# Altium PCB HW_PROCESSOR_BOARD_R1.PcbDoc (part 1 of 2) (continued)
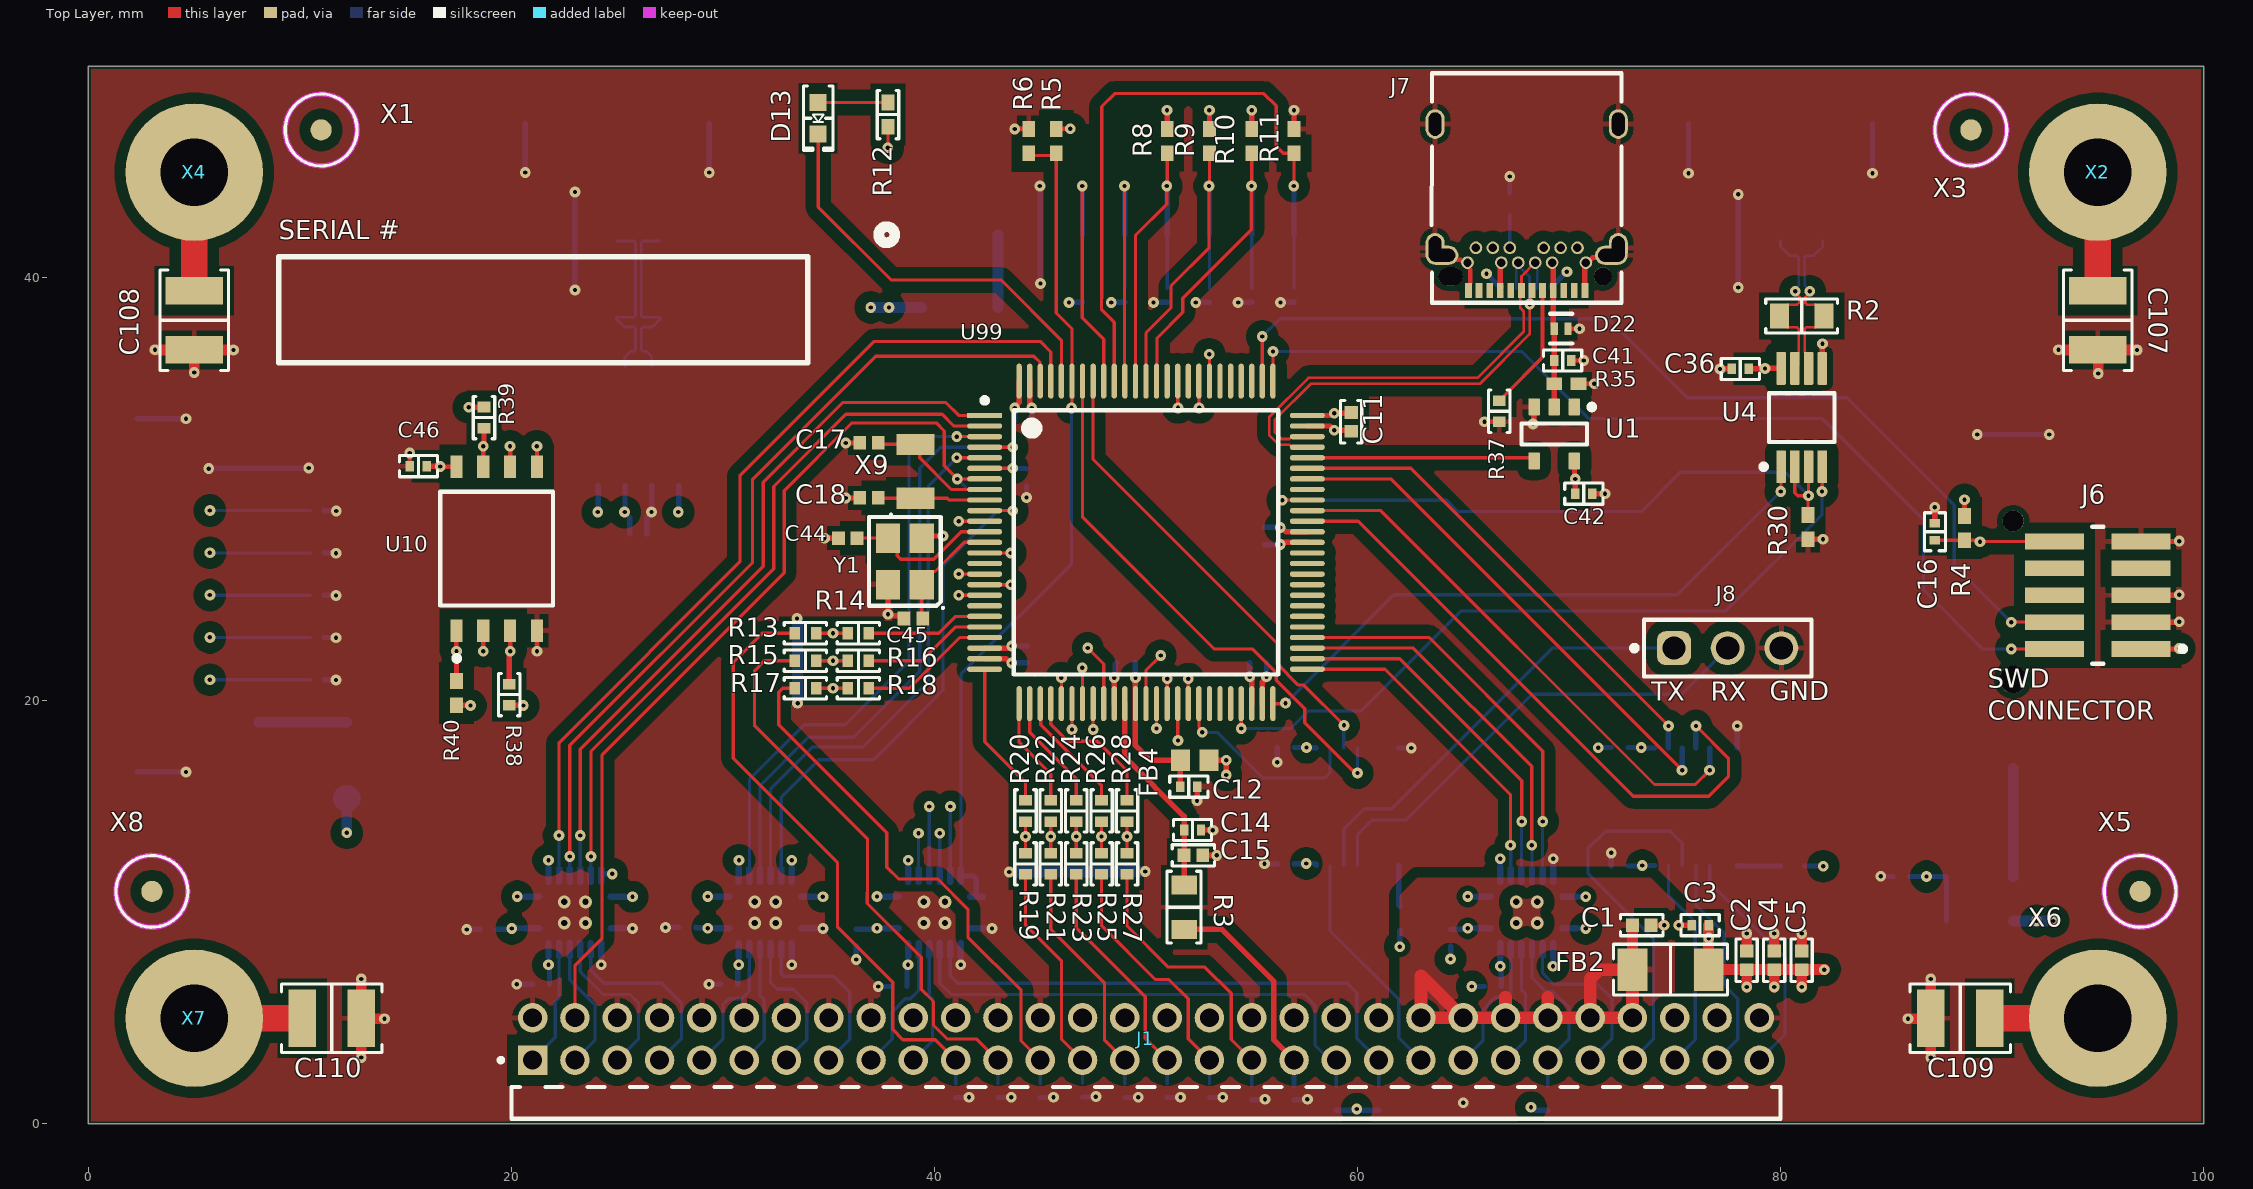
[diagram p0: Top Layer view]
## Part data (continued)
D13: library part TLMP1100-GS08, "LED GREEN 0603 SMD", Current - Test=20mA, Device Package="0603 (1608 Metric)", Lens Color=0.65mm, Manufacturer="Vishay Semiconductor Opto Division", Millicandela Rating=15mcd, Supplier Device Package=0603, Supplier Part Number 1=751-1176-1-ND, Voltage - Forward (Vf) (Typ)=2.1V, Color=Green, ComponentLink1Description=Datasheet, ComponentLink1URL=http://www.vishay.com/docs/83173/tlmb1100.pdf, ComponentLink2Description="DigiKey Link", ComponentLink2URL=https://www.digikey.com/en/products/detail/vishay-semiconductor-opto-division/TLMP1100-GS08/1681311, Configuration=Standard, Height (Max)=0.65mm, lastupdated="3/11/2024 7:51:09 AM", Lens Size="1.60mm x 0.80mm", Lens Style="Rectangle with Flat Top", Lifecycle Status=Active, Minimum Order=1, Mounting Type="Surface Mount", Package / Case="0603 (1608 Metric)", Packaging=TapeAndReel, Part Number=TLMP1100-GS08, Part Status=Active, partid=692, price=0.11, series="Automotive, AEC-Q101", Size / Dimension="1.60mm L x 0.80mm W", Supplier 1=DigiKey, Viewing Angle=160°, Wavelength - Dominant=561nm, Wavelength - Peak=562nm
D25 D26: "DIODE SCHOTTKY 20V 500MA SOD123", Current - Average Rectified (Io)=500mA, Current - Reverse Leakage @ Vr="250µA @ 20V", Manufacturer="ON Semiconductor", Operating Temperature - Junction="-65°C ~ 125°C", Package / Case=SOD-123, Supplier Part Number 1=MBR0520LT1GOSCT-ND, Voltage - DC Reverse (Vr) (Max)=20V, Voltage - Forward (Vf) (Max) @ If="385mV @ 500mA", ComponentLink1Description=Datasheet, ComponentLink1URL=http://www.onsemi.com/pub/Collateral/MBR0520LT1-D.PDF, ComponentLink2Description="DigiKey Link", ComponentLink2URL=http://digikey.com/product-detail/en/on-semiconductor/MBR0520LT1G/MBR0520LT1GOSCT-ND/917965, Diode Type=Schottky, lastupdated="6/3/2024 7:54:46 PM", Lifecycle Status=Active, Minimum Order=1, Mounting Type="Surface Mount", Packaging=TapeAndReel, Part Number=MBR0520LT1G, Part Status=Active, partid=2222, price=0.05, series=-, Speed="Fast Recovery =< 500ns, > 200mA (Io)", Supplier 1=DigiKey, Supplier Device Package=SOD-123
FB1 FB2 FB3: library part BLM31KN102SN1L, "FERRITE BEAD 1K OHM 1206 1LN", Current Rating (Max)=2A, DC Resistance (DCR) (Max)=75mOhm, Device Package="1206 (3216 Metric)", Manufacturer="Murata Electronics", Operating Temperature="-55°C ~ 125°C", Supplier Part Number 1=490-16521-1-ND, ComponentLink1Description=Datasheet, ComponentLink1URL=https://www.murata.com/en-global/products/productdata/8796739698718/ENFA0006.pdf, ComponentLink2Description="DigiKey Link", ComponentLink2URL=https://www.digikey.com/en/products/detail/murata-electronics/BLM31KN102SN1L/7564086, Filter Type="Power Line", Height (Max)="0.071\" (1.80mm)", Impedance @ Frequency="1 kOhms @ 100 MHz", lastupdated="6/3/2024 7:52:37 PM", Lifecycle Status=Active, Minimum Order=1, Mounting Type="Surface Mount", Number of Lines=1, Package / Case="1206 (3216 Metric)", Packaging=TapeAndReel, Part Number=BLM31KN102SN1L, Part Status=Active, partid=1659, price=0.10, series=BLM, Size / Dimension="0.126\" L x 0.063\" W (3.20mm x 1.60mm)", Supplier 1=DigiKey
FB4: library part MH1608-101Y, "FERRITE BEAD 100 OHM 0603 1LN", Current Rating (Max)=3A, DC Resistance (DCR) (Max)=40mOhm, Device Package="0603 (1608 Metric)", Manufacturer="Bourns Inc.", Operating Temperature="-55°C ~ 125°C", Supplier Part Number 1=MH1608-101YCT-ND, ComponentLink1Description=Datasheet, ComponentLink1URL=https://www.bourns.com/docs/Product-Datasheets/mh.pdf, ComponentLink2Description="DigiKey Link", ComponentLink2URL=https://www.digikey.com/en/products/detail/bourns-inc/MH1608-101Y/2563310, Filter Type="Power, Signal Line", Height (Max)="0.039\" (1.00mm)", Impedance @ Frequency="100 Ohms @ 100 MHz", lastupdated="5/9/2023 8:13:07 PM", Lifecycle Status=Active, Minimum Order=1, Mounting Type="Surface Mount", Number of Lines=1, Package / Case="0603 (1608 Metric)", Packaging=TapeAndReel, Part Number=MH1608-101Y, Part Status=Active, partid=645, price=0.02, series=MH, Size / Dimension="0.063\" L x 0.032\" W (1.60mm x 0.80mm)", Supplier 1=DigiKey
J1: "Connector Header Through Hole, Right Angle 60 position 0.079 (2.00mm)", Package=None, Check_prices=https://www.snapeda.com/parts/TMM-130-01-L-D-RA/Samtec/view-part/?ref=eda, MF=Samtec, MP=TMM-130-01-L-D-RA, SnapEDA_Link=https://www.snapeda.com/parts/TMM-130-01-L-D-RA/Samtec/view-part/?ref=snap
J2: library part CMP-17439-000040-1, "CONN HEADER SMD R/A 7POS 2MM", Color=Natural, Contact Resistance=20mR, Current Rating=2A, Flammability Rating="UL94 V-0", Housing Color=Beige, Insulation Resistance=1GR, Max Operating Temperature=85°C, Max Voltage Rating (AC)=100V, Min Operating Temperature=-25°C, Connector Type="Male Pin", Contact Material="Copper Alloy", Contact Mating Length=0.13inch, Contact Plating=Tin, Contact Type="Male Pin", Depth=7.6mm, Fastening Type=Detent, Gender=Male, Height=9.4mm, Housing Material=Polyamide, Lead Free="Lead Free", Lead Pitch=2mm, Length=17.9mm, Max Current Rating=2A, Mount="Surface Mount", Number of Contacts=7, Number of Poles=7, Number of Positions=7, Number of Rows=1, Orientation="Right Angle", Packaging="Tape and Reel", Pitch=2mm, REACH SVHC="No SVHC", series=PH, Termination=Solder, Voltage Rating=100V, Voltage Rating (AC)=100V, Width=5mm, Working Voltage=100V
J3: "Description", Manufacturer_Name=JST, Supplier Part Number 1=S8B-PH-SM4-TB(LF)(SN), Copyright="Copyright (C) 2025 Ultra Librarian. All rights reserved.", Manufacturer_Part_Number=S8B-PH-SM4-TB, RefDes=RefDes, Supplier 1="Arrow Electronics", Type=Type
J4 J5: library part CMP-2000-07023-2, "CONN HEADER SMD R/A 3POS 2MM", Color=Natural, Contact Resistance=10mR, Current Rating=2A, Flammability Rating="UL94 V-0", Housing Color=Beige, Insulation Resistance=1GR, Max Operating Temperature=85°C, Max Voltage Rating (AC)=100V, Min Operating Temperature=-25°C, Connector Type=Header, Contact Finish - Mating=TIN, Contact Material="Copper Alloy", Contact Mating Length=0.13inch, Contact Plating=Tin, Contact Shape=Square, Contact Type="Male Pin", Depth=7.6mm, Fastening Type=Detent, Gender=Male, Height=9.4mm, Housing Material=Polyamide, Insulation Color=Natural, Insulation Material=Nylon, Lead Free="Lead Free", Lead Pitch=2mm, Length=9.9mm, Material=Polyamide, Max Current Rating=2A, Max Voltage Rating (DC)=100V, Mount="Surface Mount", Number of Contacts=3, Number of Poles=3, Number of Positions=3, Number of Rows=1, Orientation="Right Angle", Packaging="Tape and Reel", Pitch=2mm, REACH SVHC="No SVHC", series=PH, Termination=Solder, Voltage Rating=100V, Voltage Rating (AC)=100V, Width=5mm, Working Voltage=100V
J6: "Connector Header Surface Mount 10 position 0.050\" (1.27mm)", Manufacturer Name="Samtec Inc.", Manufacturer Part Number=FTSH-105-01-F-DV-K-P-TR, Number of Positions=10, Number of Rows=2, Pitch - Mating=0.050(1.27mm)
J7: "CONN RCPT USB3.1 TYPEC 24POS R/A", Current Rating (Amps)="0.25A, 1.25A, 5A, 6.25A", Manufacturer="CUI Devices", Operating Temperature="-30°C ~ 85°C", Supplier Part Number 1=102-4485-1-ND, Voltage - Rated=20V, ComponentLink1Description=Datasheet, ComponentLink1URL=https://www.cuidevices.com/product/resource/digikeypdf/uj31-ch-smt.pdf, ComponentLink2Description="DigiKey Link", ComponentLink2URL=http://digikey.com/product-detail/en/cui-devices/UJ31-CH-31-SMT-TR/102-4485-1-ND/8024065, Connector Type="USB - C (Type - C)", Features="Board Guide", Gender=Receptacle, lastupdated="5/24/2020 10:49:54 PM", Lifecycle Status=Active, Mating Cycles=10000, Minimum Order=1, Mounting Feature=Horizontal, Mounting Type="Surface Mount, Right Angle; Through Hole", Number of Contacts=24, Number of Ports=1, Packaging=TapeAndReel, Part Number=UJ31-CH-31-SMT-TR, Part Status=Active, price=0.89, series=UJ31, Shielding=Shielded, Specifications="USB 3.1 (USB 3.1 Gen 2, Superspeed+)", Supplier 1=DigiKey, Termination=Solder
J8: "CONN HEADER VERT 3POS 2.54MM", Current Rating (Amps)=3A, Insulation Color=Black, Manufacturer="Würth Elektronik", Material Flammability Rating="UL94 V-0", Operating Temperature="-40°C ~ 105°C", Supplier Part Number 1=732-5316-ND, ComponentLink1Description=Datasheet, ComponentLink1URL=https://katalog.we-online.de/em/datasheet/6130xx11121.pdf, ComponentLink2Description="DigiKey Link", ComponentLink2URL=https://www.digikey.com/en/products/detail/würth-elektronik/61300311121/4846825, Connector Type=Header, Contact Finish - Mating=Gold, Contact Length - Mating="0.236\" (6.00mm)", Contact Length - Post="0.118\" (3.00mm)", Contact Material="Copper Alloy", Contact Shape=Square, Contact Type="Male Pin", Fastening Type=Push-Pull, Insulation Height="0.100\" (2.54mm)", Insulation Material="Polyamide (PA6T), Nylon 6T", lastupdated="10/18/2024 1:43:15 PM", Lifecycle Status=Active, Minimum Order=1, Mounting Type="Through Hole", Number of Positions=3, Number of Positions Loaded=All, Number of Rows=1, Overall Contact Length="0.454\" (11.54mm)", Packaging=Bulk, Part Number=61300311121, Part Status=Active, partid=189, Pitch - Mating="0.100\" (2.54mm)", price=0.07, Row Spacing - Mating="-40°C ~ 105°C", series=WR-PHD, Shrouding=Unshrouded, Style="Board to Board or Cable", Supplier 1=DigiKey, Termination=Solder
R1 R2 R3: library part RC0805FR-07120RL, "RES 120 OHM 1% 1/8W 0805", Device Package="0805 (2012 Metric)", Manufacturer=Yageo, Operating Temperature="-55°C ~ 155°C", Power (Watts)="0.125W, 1/8W", Supplier Device Package=0805, Supplier Part Number 1=311-120CRCT-ND, Temperature Coefficient=±100ppm/°C, Tolerance=±1%, ComponentLink1Description=Datasheet, ComponentLink1URL=https://www.yageo.com/upload/media/product/productsearch/datasheet/rchip/PYu-RC_Group_51_RoHS_L_10.pdf, ComponentLink2Description="DigiKey Link", ComponentLink2URL=https://www.digikey.com/en/products/detail/yageo/RC0805FR-07120RL/727575, Composition="Thick Film", Features="Moisture Resistant", Height - Seated (Max)="0.024\" (0.60mm)", lastupdated="7/25/2024 9:20:22 AM", Lifecycle Status=Active, Minimum Order=1, Number of Terminations=2, Package / Case="0805 (2012 Metric)", Packaging=TapeAndReel, Part Number=RC0805FR-07120RL, Part Status=Active, partid=39440, price=0.01, Resistance="120 Ohms", series=RC_L, Size / Dimension="0.079\" L x 0.049\" W (2.00mm x 1.25mm)", Supplier 1=DigiKey
R4 R5 R6 R8 R9 R10 R11 R29 R30 R31 R32 R33 R34 R35 R40: library part RC0402FR-0710KL, "RES 10K OHM 1% 1/16W 0402", Device Package="0402 (1005 Metric)", Manufacturer=Yageo, Operating Temperature="-55°C ~ 155°C", Power (Watts)="0.063W, 1/16W", Supplier Device Package=0402, Supplier Part Number 1=311-10.0KLRCT-ND, Temperature Coefficient=±100ppm/°C, Tolerance=±1%, ComponentLink1Description=Datasheet, ComponentLink1URL=https://www.yageo.com/upload/media/product/productsearch/datasheet/rchip/PYu-RC_Group_51_RoHS_L_10.pdf, ComponentLink2Description="DigiKey Link", ComponentLink2URL=https://www.digikey.com/en/products/detail/yageo/RC0402FR-0710KL/726523, Composition="Thick Film", Features="Moisture Resistant", Height - Seated (Max)="0.016\" (0.40mm)", lastupdated="30.04.2023 19:24:29", Lifecycle Status=Active, Minimum Order=1, Number of Terminations=2, Package / Case="0402 (1005 Metric)", Packaging=CutTape, Part Number=RC0402FR-0710KL, Part Status=Active, partid=17593, price=0.01, Resistance="10 kOhms", series=RC_L, Size / Dimension="0.039\" L x 0.020\" W (1.00mm x 0.50mm)", Supplier 1=DigiKey
R7: library part RC0402FR-07470KL, "RES 470K OHM 1% 1/16W 0402", Device Package="0402 (1005 Metric)", Manufacturer=Yageo, Operating Temperature="-55°C ~ 155°C", Power (Watts)="0.063W, 1/16W", Supplier Device Package=0402, Supplier Part Number 1=311-470KLRCT-ND, Temperature Coefficient=±100ppm/°C, Tolerance=±1%, ComponentLink1Description=Datasheet, ComponentLink1URL=https://www.yageo.com/upload/media/product/productsearch/datasheet/rchip/PYu-RC_Group_51_RoHS_L_10.pdf, ComponentLink2Description="DigiKey Link", ComponentLink2URL=https://www.digikey.com/en/products/detail/yageo/RC0402FR-07470KL/726618, Composition="Thick Film", Features="Moisture Resistant", Height - Seated (Max)="0.016\" (0.40mm)", lastupdated="8/31/2025 3:04:04 PM", Lifecycle Status=Active, Minimum Order=1, Number of Terminations=2, Package / Case="0402 (1005 Metric)", Packaging=CutTape, Part Number=RC0402FR-07470KL, Part Status=Active, partid=17965, price=0.01, Resistance="470 kOhms", series=RC_L, Size / Dimension="0.039\" L x 0.020\" W (1.00mm x 0.50mm)", Supplier 1=DigiKey
R12: library part RMCF0402FT2K20, "RES 2.2K OHM 1% 1/16W 0402", Device Package="0402 (1005 Metric)", Manufacturer="Stackpole Electronics Inc", Operating Temperature="-55°C ~ 155°C", Power (Watts)="0.063W, 1/16W", Ratings=AEC-Q200, Supplier Device Package=0402, Supplier Part Number 1=RMCF0402FT2K20CT-ND, Temperature Coefficient=±100ppm/°C, Tolerance=±1%, ComponentLink1Description=Datasheet, ComponentLink1URL=https://www.seielect.com/catalog/sei-rmcf_rmcp.pdf, ComponentLink2Description="DigiKey Link", ComponentLink2URL=https://www.digikey.com/en/products/detail/stackpole-electronics-inc/RMCF0402FT2K20/2417439, Composition="Thick Film", Features="Automotive AEC-Q200", Height - Seated (Max)="0.016\" (0.40mm)", lastupdated="2/9/2024 8:30:13 PM", Lifecycle Status=Active, Minimum Order=1, Number of Terminations=2, Package / Case="0402 (1005 Metric)", Packaging=CutTape, Part Number=RMCF0402FT2K20, Part Status=Active, partid=4919, price=0.01, Resistance="2.2 kOhms", series=RMCF, Size / Dimension="0.039\" L x 0.020\" W (1.00mm x 0.50mm)", Supplier 1=DigiKey
R13 R14 R15 R16 R17 R18 R19 R20 R21 R22 R23 R24 R25 R26 R27 R28: library part RC0402FR-0733RL, "RES 33 OHM 1% 1/16W 0402", Device Package="0402 (1005 Metric)", Manufacturer=Yageo, Operating Temperature="-55°C ~ 155°C", Power (Watts)="0.063W, 1/16W", Supplier Device Package=0402, Supplier Part Number 1=311-33.0LRCT-ND, Temperature Coefficient=±100ppm/°C, Tolerance=±1%, ComponentLink1Description=Datasheet, ComponentLink1URL=https://www.yageo.com/upload/media/product/productsearch/datasheet/rchip/PYu-RC_Group_51_RoHS_L_10.pdf, ComponentLink2Description="DigiKey Link", ComponentLink2URL=https://www.digikey.com/en/products/detail/yageo/RC0402FR-0733RL/726593, Composition="Thick Film", Features="Moisture Resistant", Height - Seated (Max)="0.016\" (0.40mm)", lastupdated="8/31/2025 3:03:59 PM", Lifecycle Status=Active, Minimum Order=1, Number of Terminations=2, Package / Case="0402 (1005 Metric)", Packaging=CutTape, Part Number=RC0402FR-0733RL, Part Status=Active, partid=20555, price=0.01, Resistance="33 Ohms", series=RC_L, Size / Dimension="0.039\" L x 0.020\" W (1.00mm x 0.50mm)", Supplier 1=DigiKey
R36 R37: library part RC0402FR-075K1L, "RES 5.1K OHM 1% 1/16W 0402", Device Package="0402 (1005 Metric)", Manufacturer=Yageo, Operating Temperature="-55°C ~ 155°C", Power (Watts)="0.063W, 1/16W", Supplier Device Package=0402, Supplier Part Number 1=311-5.10KLRCT-ND, Temperature Coefficient=±100ppm/°C, Tolerance=±1%, ComponentLink1Description=Datasheet, ComponentLink1URL=https://www.yageo.com/upload/media/product/productsearch/datasheet/rchip/PYu-RC_Group_51_RoHS_L_10.pdf, ComponentLink2Description="DigiKey Link", ComponentLink2URL=https://www.digikey.com/en/products/detail/yageo/RC0402FR-075K1L/726624, Composition="Thick Film", Features="Moisture Resistant", Height - Seated (Max)="0.016\" (0.40mm)", lastupdated="8/31/2025 3:04:04 PM", Lifecycle Status=Active, Minimum Order=1, Number of Terminations=2, Package / Case="0402 (1005 Metric)", Packaging=CutTape, Part Number=RC0402FR-075K1L, Part Status=Active, partid=17937, price=0.01, Resistance="5.1 kOhms", series=RC_L, Size / Dimension="0.039\" L x 0.020\" W (1.00mm x 0.50mm)", Supplier 1=DigiKey
R38 R39: library part RC0402FR-07100KL, "RES 100K OHM 1% 1/16W 0402", Device Package="0402 (1005 Metric)", Manufacturer=Yageo, Operating Temperature="-55°C ~ 155°C", Power (Watts)="0.063W, 1/16W", Supplier Device Package=0402, Supplier Part Number 1=311-100KLRCT-ND, Temperature Coefficient=±100ppm/°C, Tolerance=±1%, ComponentLink1Description=Datasheet, ComponentLink1URL=https://www.yageo.com/upload/media/product/productsearch/datasheet/rchip/PYu-RC_Group_51_RoHS_L_10.pdf, ComponentLink2Description="DigiKey Link", ComponentLink2URL=https://www.digikey.com/en/products/detail/yageo/RC0402FR-07100KL/726526, Composition="Thick Film", Features="Moisture Resistant", Height - Seated (Max)="0.016\" (0.40mm)", lastupdated="8/31/2025 3:04:04 PM", Lifecycle Status=Active, Minimum Order=1, Number of Terminations=2, Package / Case="0402 (1005 Metric)", Packaging=CutTape, Part Number=RC0402FR-07100KL, Part Status=Active, partid=17595, price=0.01, Resistance="100 kOhms", series=RC_L, Size / Dimension="0.039\" L x 0.020\" W (1.00mm x 0.50mm)", Supplier 1=DigiKey
U1: library part CMP-0859-00033-4, "Single Schmitt-Trigger Buffer, DBV0005A, LARGE T&R", F @ Nom Voltage(Max)(Mhz)=150, Generic Part Number=SN74LVC1G17, ICC @ Nom Voltage(Max)(mA)=0.01, Manufacturer="Texas Instruments", Operating Temperature Range(C)="-40 to 125,-40 to 85", Rating=Catalog, tpd @ Nom Voltage(Max)(ns)=11,6.5,5.5,5, Voltage(Nom)(V)=1.8,2.5,3.3,5, 3-State Output=No, Bits(#)=1, DatasheetVersion=SCES351V, Input Type=CMOS/TTL, Logic=True, Output Drive (IOL/IOH)(Max)(mA)=32/-32, Output Type=CMOS, PackageReference=DBV0005A, Schmitt Trigger=Yes, Sub-Family="Non-Inverting Buffer/Driver", Technology Family=LVC, VCC(Max)(V)=5.5, VCC(Min)(V)=1.65
U2 U3 U7 U9: library part CMP-04899-000023-1, "IC TRNSLTR BIDIRECTIONAL 16VQFN", Ambient Temperature Range High=+85°C, Ambient Temperature Range Low=-40°C, Manufacturer="Texas Instruments", Max Supply Voltage=3.6V, Min Supply Voltage=1.2V, Nominal Supply Current=16uA, Package=RGY0016A, Temperature="-40°C to +85°C", Automotive=No, Category=IC, ComponentLink2Description=Datasheet, ComponentLink2URL=http://www.ti.com/lit/ds/symlink/sn74avc4t774.pdf, Data Rate=380Mbits/s, Device Class L1="Integrated Circuits (ICs)", Device Class L2="Logic ICs", Device Class L3="Voltage Level Shifters", Digikey Description="IC TRNSLTR BIDIRECTIONAL 16VQFN", Height=1mm, Ipc Land Pattern Name=QFN50P350X400X90-16, Lead Free=Yes, Logic Function Desc=Non-Inverting, Manufacturer Part Number=SN74AVC4T774RGYR, Mouser Description="Translation - Voltage Levels 4B Dual-Supply Bus Xcvr", Number of Circuits=1, Number Of Inputs=4, Number of Outputs=4, Octopart=https://octopart.com/sn74avc4t774rgyr-texas+instruments-12195083, Propagation Delay=2.6ns, RoHS=TRUE, Standoff Height=0mm, Temperature Range High=+85°C, Temperature Range Low=-40°C, V A Max=3.6V, V A Min=1.2V, V B Max=3.6V, V B Min=1.2V
U4: library part CMP-0694-00009-2, "3.3 V Supply RS-485 with IEC ESD Protection, 20 Mbps, -40 to 125 degC, 8-Pin VSSOP, RoHS, Tape and Reel", Manufacturer="Texas Instruments", Operating Temperature Range="-40 to 125 degC", ComponentLink1Description="Manufacturer URL", ComponentLink1URL=http://www.ti.com/, ComponentLink2Description=Datasheet, ComponentLink2URL=http://www.ti.com/lit/ds/sllse11c/sllse11c.pdf, ComponentLink3Description="Package Specification", ComponentLink3URL=http://www.ti.com/lit/ds/sllse11c/sllse11c.pdf, DatasheetVersion=SLLSE11C, ESD="15 kV", ICC (Max) (mA)=0.95, Mounting Technology="Surface Mount", No. of RX=1, No. of TX=1, PackageDescription="8-Pin Plastic Small-Outline Package, Body 3 x 3 mm, Pitch 0.65 mm", PackageReference=DGK0008A, PackageVersion=4073329/E, Packing="Tape and Reel", PartNumber=SN65HVD75DGKR, RoHS=TRUE, Signaling Rate (Max) (Mbps)=20, VCC="3 to 3.6 V", VI="-7 to 12 V"
U5 U8: library part CMP-04899-000064-1, "IC TRNSLTR BIDIRECTIONAL 14TSSOP", Case/Package=TSSOP, High Level Output Current=-20uA, Low Level Output Current=1mA, Max Operating Temperature=125°C, Max Supply Voltage=5.5V, Min Operating Temperature=-40°C, Min Supply Voltage=1.65V, Operating Supply Current=25uA, Package Quantity=2000, Quiescent Current=14.4uA, Channel Type=Bidirectional, Contact Plating=Gold, Data Rate=24Mbps, Lead Free="Lead Free", Logic Function=Translator, Mount="Surface Mount", Number of Bits=4, Number of Channels=4, Number of Circuits=1, Number of Pins=14, Packaging="Tape and Reel", Propagation Delay=4.6ns, Radiation Hardening=No, RoHS Compliant=Yes, Weight=0.004949oz
U6: library part CMP-0315-00075-2, "3.3 V Can Transceiver, 17 mA, -40 to 85 degC, 8-pin SOIC (D), Green (RoHS & no Sb/Br)", Drivers Per Package=1, Manufacturer="Texas Instruments", Rating=Catalog, Supply Voltage(s)(V)=3.3, Code_JEDEC=MS-012AA, ComponentLink1Description=Datasheet, ComponentLink1URL=http://www.ti.com/general/docs/lit/getliterature.tsp?genericPartNumber=SN65HVD232&fileType=pdf, DatasheetVersion=SLOS346K, Eco-Plan="Green (RoHS & no Sb/Br)", ICC(Max)(mA)=17, Isolated=No, Mounting Technology="Surface Mount", PackageDescription="8-Pin Plastic Small Outline Integrated Circuit, 4.9 x 3.9 mm, Pitch 1.27 mm Pitch", PackageReference=D0008A, PackageVersion="revM, Jun-2011", PartNumber=SN65HVD232DR, Receivers Per Package=1, SubFamily=CAN, Transient Pulse Protection(V)="-25 to 25"
U10: library part CMP-105207-000006-1, "IC FLASH 128MBIT SPI/QUAD 8SOP", RoHS Compliant=Yes
U99: library part CMP-12105-000116-1, "IC MCU 32BIT 512KB FLASH 100LQFP", RoHS Compliant=Yes
X1 X3 X5 X8: "FIDUCIAL 1mm"
X2 X4 X6 X7: library part FIXING_M3, "FIXING HOLE M3"
X9: library part CRY_32.768KHZ, "32.768 kHz ±20ppm Crystal 12.5pF 70 kOhms 2-SMD, No Lead", Manufacturer Part Number=CM7V-T1A-32.768KHZ-12.5PF-20PPM-TB-QA, Order Code="DIGI : 2195-CM7V-T1A-32.768KHZ-12.5PF-20PPM-TB-QACT-ND"
Y1: library part "TSX-3225 24.0000MF20G-AC3", "CRYSTAL 24.0000MHZ 9PF SMD", ESR (Equivalent Series Resistance)="40 Ohms", Frequency Stability=±20ppm, Frequency Tolerance=±10ppm, Load Capacitance=9pF, Manufacturer=EPSON, Operating Mode=Fundamental, Operating Temperature="-40°C ~ 105°C", Package / Case="4-SMD, No Lead", Supplier Part Number 1=SER3634CT-ND, ComponentLink1Description=Datasheet, ComponentLink1URL=https://support.epson.biz/td/api/doc_check.php?dl=brief_TSX-3225&lang=en, ComponentLink2Description="DigiKey Link", ComponentLink2URL=https://www.digikey.com/en/products/detail/epson/TSX-3225-24-0000MF20G-AC3/1825443, Frequency="24 MHz", Height - Seated (Max)="0.024\" (0.60mm)", lastupdated="6/3/2024 8:02:15 PM", Lifecycle Status=Active, Minimum Order=1, Mounting Type="Surface Mount", Packaging=TapeAndReel, Part Number="TSX-3225 24.0000MF20G-AC3", Part Status=Active, partid=440, price=0.40, series=TSX-3225, Size / Dimension="0.126\" L x 0.098\" W (3.20mm x 2.50mm)", Supplier 1=DigiKey, Type="MHz Crystal"

## Via types
v1: diameter 0.508, hole 0.203, Top Layer to Bottom Layer, tented both sides, 265 vias
v2: diameter 0.6, hole 0.3, Top Layer to Bottom Layer, 16 vias

## Nets (pads, with @x,y where several pads share a name; then routed paths per layer and width w, separated by ;. In a path a pad name is that pad's centre, name@x,y a point inside that pad or via, vN(x,y) a via of type N, cw(c..) or ccw(c..) an arc to the next point about the centre after c; other vN are vias at no path point)
+3V3: C2.2 C3.2 C4.2 C5.2 C6.2 C7.2 C8.2 C9.2 C10.2 C11.2 C27.2 C28.2 C29.2 C30.2 C31.2 C32.2 C33.2 C34.2 C35.2 C36.2 C37.2 C38.2 C39.2 C40.2 C42.2 C46.2 D25.1 FB1.2 FB2.2 FB3.1 FB4.2 J6.1 R4.1 R5.1 R8.1 R9.1 R10.1 R12.2 R29.2 R31.1 R32.1 R33.2 R34.2 R38.2 R39.2 R40.1 U1.5 U2.1 U2.2 U2.7 U2.8 U2.15 U2.16 U3.1 U3.2 U3.8 U3.15 U3.16 U4.8 U5.1 U5.14 U6.3 U7.1 U7.2 U7.7 U7.8 U7.15 U7.16 U8.1 U8.14 U9.1 U9.2 U9.15 U9.16 U10.8 U99.24 U99.49 U99.64 U99.75 U99.100 | length 77.1
  Top Layer w0.152: v1(37.795,46.152) 37.8,46.157 R12.2@37.8,47.15
  Top Layer w0.203: v1(16.637,31.09) 16.652,31.075 U10.8@17.395,31.075 ; R5.1@45.756,47.05 46.412,47.05 v1(46.422,47.059)
  Top Layer w0.254: C46.2@16,31.1 16.627,31.1 v1(16.637,31.09) ; R40.1@17.4,19.8 18.046,19.8 v1(18.059,19.787) ; v1(17.983,33.884) 17.991,33.892 18.692,33.892 R39.2@18.7,33.9 ; R38.2@19.9,19.8 20.546,19.8 v1(20.559,19.787) ; U99.24@42.375,22 43.38,22 43.58,21.8 v1(43.649,21.8) ; v1(43.8,33.851) 43.8,33.92 44,34.12 U99.100@44,35.125 ; v1(50.997,47.93) 51,47.926 R8.1@51,47.05 ; FB4.2@52.975,17.2 v1(53.8,17.2) v1(53.8,16.5) ; v1(52.997,47.93) 53,47.926 R9.1@53,47.05 ; v1(54.997,47.93) 55,47.926 R10.1@55,47.05 ; U99.49@55.5,19.875 55.5,20.88 55.7,21.08 v1(55.7,21.149) ; v1(56.351,28.2) 56.42,28.2 56.62,28 U99.64@57.625,28 ; U99.75@57.625,33.5 58.8,33.5 v1(58.9,33.6) 59.66,33.6 C11.2@59.7,33.64 ; U1.5@70.25,31.35 70.262,31.338 70.262,30.538 v1(70.3,30.5) C42.2@70.3,29.8 ; C36.2@78.5,35.7 79.248,35.7 v1(79.27,35.722) 79.273,35.725 U4.8@80.025,35.725 ; v1(88.697,29.515) 88.7,29.512 R4.1@88.7,28.75 ; J6.1@97.035,22.46 98.838,22.46 v1(98.857,22.479)
  Top Layer w0.508: C3.2@76.6,9.4 76.6,8.795 v1(76.606,8.788) 76.6,8.782 FB2.2@76.6,7.3 C2.2@78.4,7.3 ; v1@78.4,6.478 C2.2@78.4,7.3 ; v1(79.701,6.477) C4.2@79.7,7.3 ; v1(81.001,6.477) C5.2@81,7.3 ; v1@82.093,7.315 v1(82.067,7.29) 82.057,7.3 C5.2@81,7.3 ; C2.2@78.4,7.3 C4.2@79.7,7.3 ; C4.2@79.7,7.3 C5.2@81,7.3
  Bottom Layer w0.254: C27.2@19.3,9.2 19.97,9.2 v1(20.015,9.246) ; v1@20.02,9.25 U2.16@21.025,9.25 ; v1(20.277,10.754) 20.282,10.75 U2.1@21.025,10.75 ; U2.15@21.75,8.275 21.75,7.532 v1(21.746,7.527) 21.746,7.458 21.8,7.404 C28.2@21.8,6.6 ; U2.2@21.75,11.725 21.75,12.468 v1(21.754,12.473) ; U2.7@24.25,11.725 24.35,11.825 v1(24.765,11.825) ; U2.8@24.975,10.75 25.718,10.75 v1(25.723,10.746) ; U6.3@25.365,30.175 25.365,28.946 v1(25.349,28.931) 25.349,28.906 25.6,28.655 C33.2@25.6,27.9 ; C34.2@28.7,9.3 28.723,9.277 29.254,9.277 v1(29.277,9.254) 29.282,9.25 U7.16@30.025,9.25 ; v1(29.277,10.754) 29.282,10.75 U7.1@30.025,10.75 ; C35.2@30.7,6.6 30.7,7.482 v1(30.746,7.527) 30.75,7.532 U7.15@30.75,8.275 ; U7.2@30.75,11.725 30.75,12.468 v1(30.754,12.473) ; U7.7@33.25,11.725 33.25,12.468 v1(33.254,12.473) ; U7.8@33.975,10.75 34.718,10.75 v1(34.723,10.746) ; C39.2@36.3,9.2 37.154,9.2 37.208,9.254 v1(37.277,9.254) 37.282,9.25 U9.16@38.025,9.25 ; v1(37.277,10.754) 37.282,10.75 U9.1@38.025,10.75 ; C40.2@38.7,6.5 38.7,7.482 v1(38.746,7.527) 38.75,7.532 U9.15@38.75,8.275 ; U9.2@38.75,11.725 38.75,12.468 v1(38.754,12.473) ; v1(43.649,21.8) C8.2@44.4,21.8 ; C10.2@43.8,33.2 v1(43.8,33.851) ; C6.2@55.6,28.24 55.62,28.22 56.331,28.22 v1(56.351,28.2) ; v1(55.7,21.149) C9.2@55.7,21.8 ; C38.2@57,12.3 57.563,12.3 v1(57.582,12.319) 58.01,12.319 58.05,12.279 U8.14@58.05,12.225 ; C37.2@57,17.8 v1(57.593,17.8) 57.595,17.798 58.028,17.798 U8.1@58.05,17.775 ; v1(58.9,33.6) C7.2@59.7,33.6 ; R33.2@59,0.65 59.839,0.65 59.901,0.711 v1(59.969,0.711) 60.038,0.711 60.099,0.65 R34.2@61,0.65 ; R32.1@62,9.15 62,8.383 v1(62.001,8.382) ; C29.2@64.4,9.2 65.156,9.2 v1(65.21,9.254) 65.215,9.25 U3.16@66.025,9.25 ; v1(65.21,10.754) 65.215,10.75 U3.1@66.025,10.75 ; U3.15@66.75,8.275 66.75,7.465 v1(66.746,7.46) 66.8,7.406 C30.2@66.8,6.5 ; U3.2@66.75,11.725 66.75,12.535 v1(66.754,12.54) ; v1(68.199,0.787) 68.268,0.787 68.405,0.65 R29.2@69,0.65 ; U3.8@69.975,10.75 70.785,10.75 v1(70.79,10.746) ; C32.2@72.8,12.2 73.439,12.2 v1(73.457,12.217) 73.464,12.225 U5.14@74.05,12.225 ; C31.2@72.8,17.8 73.413,17.8 v1(73.418,17.805) 73.448,17.775 U5.1@74.05,17.775 ; R31.1@81.15,12.2 82.009,12.2 v1(82.017,12.192)
  Bottom Layer w0.381: v1(20.015,9.246) v1@20.02,9.25
  Bottom Layer w0.508: v1(12.217,13.767) FB1.2@12.217,15.383 ; v1(36.982,38.608) v1(37.846,38.608) 37.854,38.6 FB3.1@39.4,38.6 ; D25.1@91,9.6 v1(92.1,9.6) v1(92.9,9.6)
  Bottom Layer w1.27: FB1.2@12.2,15.4 FB1.2@12.217,15.383
  other v1: 78.401,6.477